# Altium PCB Tigershark 3D R2.2.PcbDoc (part 1 of 4) (continued)
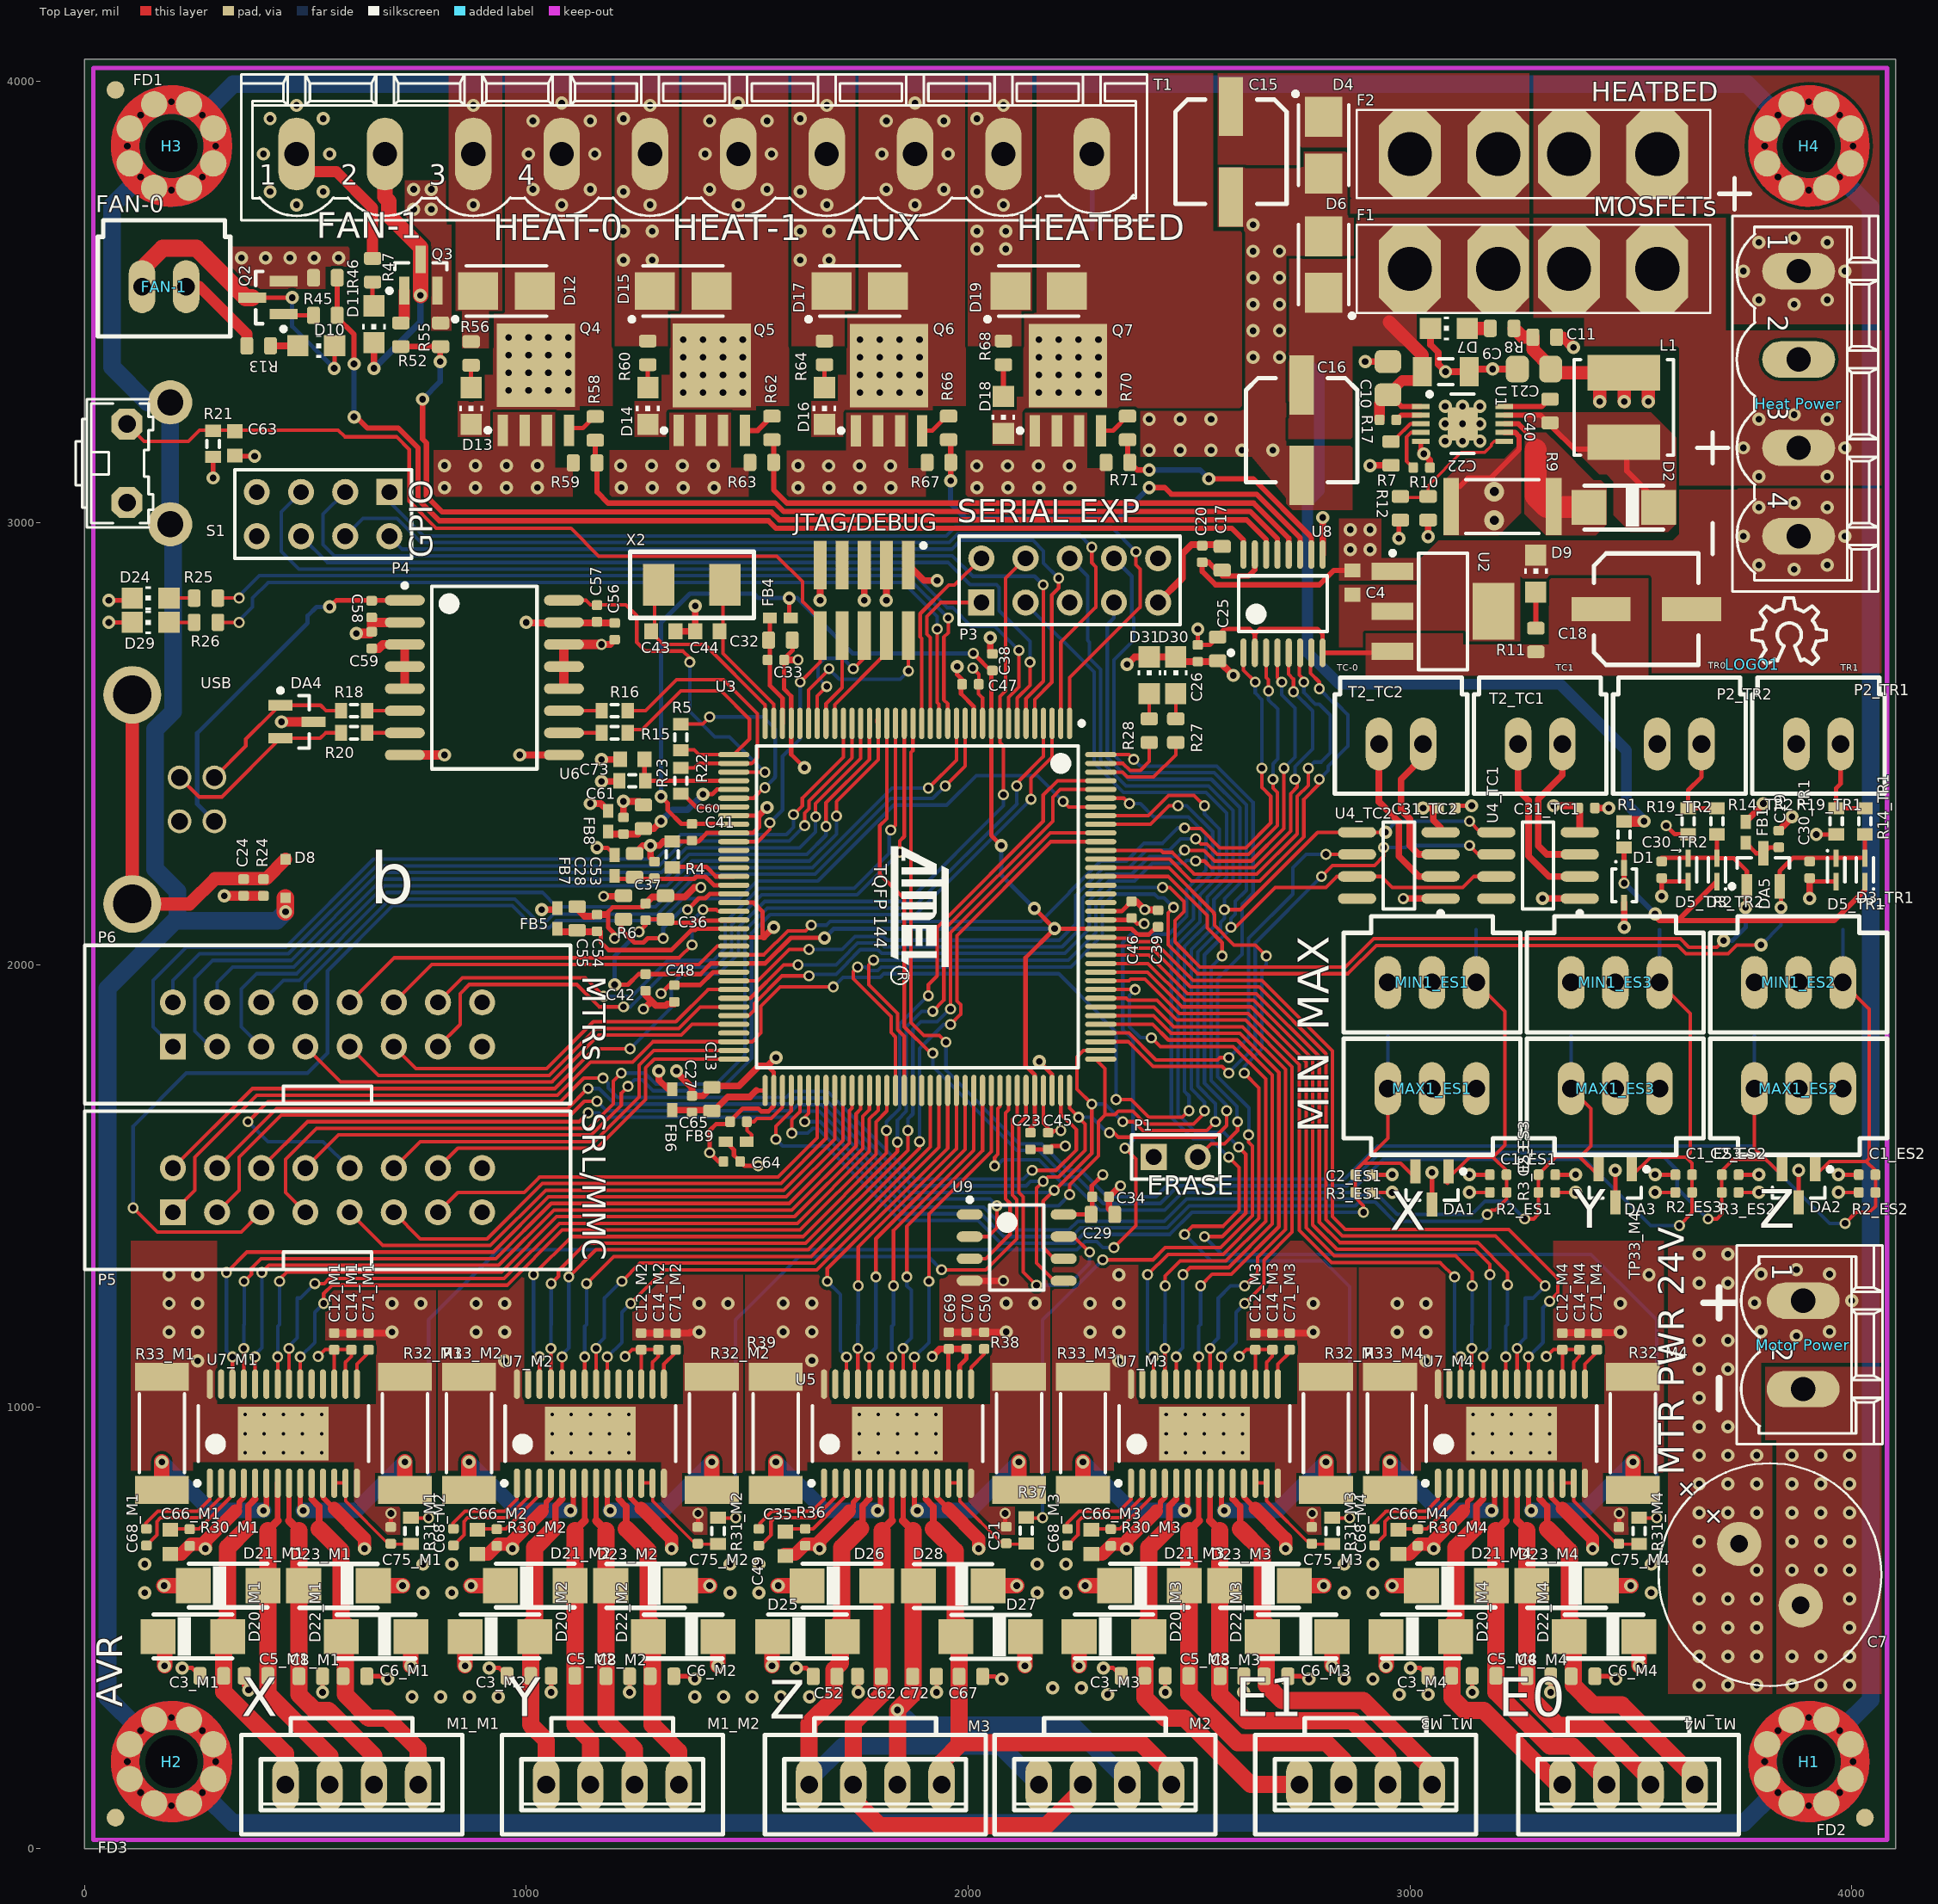
[diagram p0: Top Layer view]
## Classes and differential pairs (continued)
net class U7_M3_Nets: 3.3VCC +12VCC1 DIR3 EN3 GND MOD0E3 MOD1E3 MOD2E3 NetC3_M3_1 NetC5_M3_1 NetC6_M3_1 NetC8_M3_1 NetC66_M3_2 NetC68_M3_1 NetC68_M3_2 NetC71_M3_2 NetC75_M3_2 NetR32_M3_2 NetR33_M3_2 NetU7_M3_18 NetU7_M3_19 NetU7_M3_27 STEP3
net class U7_M4_Nets: 3.3VCC +12VCC1 DIR4 EN4 GND MOD0E4 MOD1E4 MOD2E4 NetC3_M4_1 NetC5_M4_1 NetC6_M4_1 NetC8_M4_1 NetC66_M4_2 NetC68_M4_1 NetC68_M4_2 NetC71_M4_2 NetC75_M4_2 NetR32_M4_2 NetR33_M4_2 NetU7_M4_18 NetU7_M4_19 NetU7_M4_27 STEP4
net class U8_Nets: 3.3VCC +5VCC BED_PWM FET_PWM1 FET_PWM2 FET_PWM3 FET_PWM4 FET_PWM5 GND NetR45_1 NetR52_1 NetR58_1 NetR62_1 NetR66_1 NetR70_1
net class USB_Nets: INPUT_GND NetC24_2 NetC58_2 R_N R_P
net class X2_Nets: NetC43_2 NetC44_2
net class C12_M1_Nets: 3.3VCC GND
net class C12_M2_Nets: 3.3VCC GND
net class C12_M3_Nets: 3.3VCC GND
net class C12_M4_Nets: 3.3VCC GND
net class C14_M1_Nets: 3.3VCC GND
net class C14_M2_Nets: 3.3VCC GND
net class C14_M3_Nets: 3.3VCC GND
net class C14_M4_Nets: 3.3VCC GND
net class C7_Nets: +12VCC1 GND
net class C15_Nets: +12VCC3 GND
net class C18_Nets: 3.3VCC GND
net class C16_Nets: +12VCC2 GND
net class H1_Nets: FGND
net class H2_Nets: FGND
net class H3_Nets: FGND
net class H4_Nets: FGND
net class P4_Nets: 3.3VCC GND GPIO_P_0 GPIO_P_1 GPIO_P_2 GPIO_P_3 GPIO_P_4 GPIO_P_5 NetP4_1 NetP4_3 NetP4_5
net class C34_Nets: 3.3VCC GND
net class C29_Nets: 3.3VCC GND
net class U9_Nets: 3.3VCC GND HOLD# MISO MOSI SCLK SPIFLASH_CS WP#
net class D24_Nets: GND NetD24_A
net class D29_Nets: GND NetD29_A
net class R25_Nets: NetD24_A USB_RX
net class R26_Nets: NetD29_A USB_TX
differential pair R: +R_P -R_N
differential pair UD: +UD_P -UD_N
differential pair UI: +UI_P -UI_N
differential pair UMCU: +UMCU_P -UMCU_N

## Components (designator, comment, footprint, x,y, rotation, side; value= is the part's Value field where it differs from the comment)
C1_ES1 "0402" C0402 3200,1525 r180 top (schematic designator C1)
C1_ES2 "0402" C0402 4035,1525 r180 top (schematic designator C1)
C1_ES3 "0402" C0402 3620,1525 r180 top (schematic designator C1)
C2_ES1 "0402" C0402 2895,1525 r0 top (schematic designator C2)
C2_ES2 "0402" C0402 3725,1525 r0 top (schematic designator C2)
C2_ES3 "0402" C0402 3310,1525 r0 top (schematic designator C2)
C3_M1 "10uF" C0603 288,391 r180 top (schematic designator C3)
C3_M2 "10uF" C0603 983,391 r180 top (schematic designator C3)
C3_M3 "10uF" C0603 2373,391 r180 top (schematic designator C3)
C3_M4 "10uF" C0603 3068,391 r180 top (schematic designator C3)
C4 "0603" 1608[0603] 2870,2865 r90 top
C5_M1 "10uF" C0603 388,391 r180 top (schematic designator C5)
C5_M2 "10uF" C0603 1083,391 r180 top (schematic designator C5)
C5_M3 "10uF" C0603 2473,391 r180 top (schematic designator C5)
C5_M4 "10uF" C0603 3168,391 r180 top (schematic designator C5)
C6_M1 "10uF" C0603 612,390 r0 top (schematic designator C6)
C6_M2 "10uF" C0603 1307,390 r0 top (schematic designator C6)
C6_M3 "10uF" C0603 2697,390 r0 top (schematic designator C6)
C6_M4 "10uF" C0603 3392,390 r0 top (schematic designator C6)
C7 "470uF" C12,5-5 3815,620 r315 top
C8_M1 "10uF" C0603 512,390 r0 top (schematic designator C8)
C8_M2 "10uF" C0603 1207,390 r0 top (schematic designator C8)
C8_M3 "10uF" C0603 2597,390 r0 top (schematic designator C8)
C8_M4 "10uF" C0603 3292,390 r0 top (schematic designator C8)
C9 "4.7uF" C1206 3081.31,3342.43 r0 top
C10 "1uF" C0805 2950.31,3327.43 r90 top
C11 "100nF" C0603 3305.31,3420.43 r0 top
C12_M1 "0402" C0402 565,1148 r270 top (schematic designator C12)
C12_M2 "0402" C0402 1260,1148 r270 top (schematic designator C12)
C12_M3 "0402" C0402 2650,1148 r270 top (schematic designator C12)
C12_M4 "0402" C0402 3345,1148 r270 top (schematic designator C12)
C13 "0603" C0603 1420,1696.1 r270 top
C14_M1 "0402" C0402 604,1148 r270 top (schematic designator C14)
C14_M2 "0402" C0402 1299,1148 r270 top (schematic designator C14)
C14_M3 "0402" C0402 2689,1148 r270 top (schematic designator C14)
C14_M4 "0402" C0402 3384,1148 r270 top (schematic designator C14)
C15 "EEE-1VA101XP" EEE-1VA101XP 2595,3840 r90 top
C16 "EEE-1VA101XP" EEE-1VA101XP 2755,3210 r90 top
C17 "0603" C0603 2575,2920 r270 top
C18 "EEE-1VA101XP" EEE-1VA101XP 3535,2805 r180 top
C19 "0402" C0402 3835,2285 r270 top
C20 "0402" C0402 2530,2930 r270 top
C21 "10uF" C0805 3281.31,3348.43 r180 top
C22 "1uF" C0402 3026.31,3125.43 r0 top
C23 "0402" C0402 2141.1,1601.1 r90 top
C24 "0402" C0402 360,2175 r90 top
C25 "0603" C0603 2565,2715 r90 top
C26 "0402" C0402 2520,2705 r90 top
C27 "0402" C0402 1375,1685 r270 top
C28 "0603" C0603 1245,2225 r270 top
C29 "0603" C0603 2305,1435 r180 top
C30_TR1 "0402" C0402 3905,2215 r90 top (schematic designator C30)
C30_TR2 "0402" C0402 3570,2215 r90 top (schematic designator C30)
C31_TC1 "0402" C0402 3400,2355 r180 top (schematic designator C31)
C31_TC2 "0402" C0402 3085,2355 r180 top (schematic designator C31)
C32 "0603" C0603 1575,2735 r180 top
C33 "0402" C0402 1565,2690 r180 top
C34 "0402" C0402 2300,1475 r180 top
C35 "0603" 1608[0603] 1586.26,689.74 r90 top
C36 "0603" C0603 1315,2130 r270 top
C37 "0402" C0402 1270,2120 r270 top
C38 "0402" C0402 2055,2685 r270 top
C39 "0402" C0402 2430,2105 r270 top
C40 "100nF" C0603 3317.31,3253.43 r270 top
C41 "0402" C0402 1375,2300 r90 top
C42 "0402" C0402 1270,1960 r90 top
C43 "0603" 1608[0603] 1310,2755 r180 top
C44 "0603" 1608[0603] 1410,2755 r0 top
C45 "0402" C0402 2181.1,1601.1 r90 top
C46 "0402" C0402 2370,2125 r270 top
C47 "0402" C0402 2005,2635 r0 top
C48 "0402" C0402 1335,1935 r90 top
C49 "0402" C0402 1526.26,704.74 r270 top
C50 "0402" C0402 2036.26,1149.74 r270 top
C51 "0402" C0402 2086.26,709.74 r270 top
C52 "10uF" C0603 1676.26,389.74 r180 top
C53 "0402" C0402 1290,2215 r270 top
C54 "0402" C0402 1160,2095 r270 top
C55 "0603" C0603 1115,2105 r270 top
C56 "0402" C0402 1200,2755 r270 top
C57 "0402" C0402 1160,2795 r90 top
C58 "0402" C0402 650,2805 r90 top
C59 "0402" C0402 650,2735 r270 top
C60 "0603" C0603 1265,2335 r270 top
C61 "0402" C0402 1220,2315 r270 top
C62 "10uF" C0603 1776.26,389.74 r180 top
C63 "Cap Semi" 1608[0603] 340,3180 r90 top
C64 "0402" C0402 1465,1555 r0 top
C65 "0402" C0402 1480,1645 r0 top
C66_M1 "0603" 1608[0603] 194,694 r90 top (schematic designator C66)
C66_M2 "0603" 1608[0603] 889,694 r90 top (schematic designator C66)
C66_M3 "0603" 1608[0603] 2279,694 r90 top (schematic designator C66)
C66_M4 "0603" 1608[0603] 2974,694 r90 top (schematic designator C66)
C67 "10uF" C0603 2006.26,389.74 r0 top
C68_M1 "0402" C0402 140,705 r270 top (schematic designator C68)
C68_M2 "0402" C0402 835,705 r270 top (schematic designator C68)
C68_M3 "0402" C0402 2225,705 r270 top (schematic designator C68)
C68_M4 "0402" C0402 2920,705 r270 top (schematic designator C68)
C69 "0402" C0402 1956.26,1149.74 r270 top
C70 "0402" C0402 1996.26,1149.74 r270 top
C71_M1 "0402" C0402 643,1148 r270 top (schematic designator C71)
C71_M2 "0402" C0402 1338,1148 r270 top (schematic designator C71)
C71_M3 "0402" C0402 2728,1148 r270 top (schematic designator C71)
C71_M4 "0402" C0402 3423,1148 r270 top (schematic designator C71)
C72 "10uF" C0603 1901.26,389.74 r0 top
C73 "0603" 1608[0603] 1240,2465 r0 top
C75_M1 "0402" C0402 693,709 r270 top (schematic designator C75)
C75_M2 "0402" C0402 1388,709 r270 top (schematic designator C75)
C75_M3 "0402" C0402 2778,709 r270 top (schematic designator C75)
C75_M4 "0402" C0402 3473,709 r270 top (schematic designator C75)
D1 "SZMM3Z4V7T1G" SZMM3Z4V7T1G 3485,2180 r90 top
D2 "SK310A-TP" SMA-SM 3484.31,3035.43 r180 top
D3_TR1 "Diode 1N4148" 1N4148WT 4030,2215 r270 top (schematic designator D3)
D3_TR2 "Diode 1N4148" 1N4148WT 3695,2215 r270 top (schematic designator D3)
D4 "SK310A-TP" SK310A-TP 2805,3855 r90 top
D5_TR1 "Diode 1N4148" 1N4148WT 3965,2215 r90 top (schematic designator D5)
D5_TR2 "Diode 1N4148" 1N4148WT 3630,2215 r90 top (schematic designator D5)
D6 "SK310A-TP" SK310A-TP 2805,3585 r270 top
D7 "5988110107F" LED2012120 3088.76,3440.43 r180 top
D8 "RSB39VTE-17" SOD323-R 455,2195 r90 top
D9 "5988110107F" LED2012120 3285,2885 r90 top
D10 "5988140107F" LED2012120 524,3401 r0 top
D11 "5988140107F" LED2012120 655,3450 r270 top
D12 "B240A-13-F" SK310A-TP 955,3525 r180 top
D13 "5988140107F" LED2012120 875,3265 r270 top
D14 "5988140107F" LED2012120 1275,3265 r270 top
D15 "B240A-13-F" SK310A-TP 1355,3525 r180 top
D16 "5988140107F" LED2012120 1675,3265 r270 top
D17 "B240A-13-F" SK310A-TP 1755,3525 r180 top
D18 "5988140107F" LED2012120 2080,3245 r270 top
D19 "B240A-13-F" SK310A-TP 2160,3525 r180 top
D20_M1 "SMAJ30A" SMA-SM 245,480 r0 top (schematic designator D20)
D20_M2 "SMAJ30A" SMA-SM 940,480 r0 top (schematic designator D20)
D20_M3 "SMAJ30A" SMA-SM 2330,480 r0 top (schematic designator D20)
D20_M4 "SMAJ30A" SMA-SM 3025,480 r0 top (schematic designator D20)
D21_M1 "SMAJ30A" SMA-SM 325,595 r0 top (schematic designator D21)
D21_M2 "SMAJ30A" SMA-SM 1020,595 r0 top (schematic designator D21)
D21_M3 "SMAJ30A" SMA-SM 2410,595 r0 top (schematic designator D21)
D21_M4 "SMAJ30A" SMA-SM 3105,595 r0 top (schematic designator D21)
D22_M1 "SMAJ30A" SMA-SM 660,480 r180 top (schematic designator D22)
D22_M2 "SMAJ30A" SMA-SM 1355,480 r180 top (schematic designator D22)
D22_M3 "SMAJ30A" SMA-SM 2745,480 r180 top (schematic designator D22)
D22_M4 "SMAJ30A" SMA-SM 3440,480 r180 top (schematic designator D22)
D23_M1 "SMAJ30A" SMA-SM 575,595 r180 top (schematic designator D23)
D23_M2 "SMAJ30A" SMA-SM 1270,595 r180 top (schematic designator D23)
D23_M3 "SMAJ30A" SMA-SM 2660,595 r180 top (schematic designator D23)
D23_M4 "SMAJ30A" SMA-SM 3355,595 r180 top (schematic designator D23)
D24 "5988140107F" LED2012120 150,2830 r180 top
D25 "SMAJ30A" SMA-SM 1636.26,479.74 r0 top
D26 "SMAJ30A" SMA-SM 1714.03,594.74 r0 top
D27 "SMAJ30A" SMA-SM 2051.26,479.74 r180 top
D28 "SMAJ30A" SMA-SM 1966.26,594.74 r180 top
D29 "5988140107F" LED2012120 150,2775 r180 top
D30 "5988140107F" LED2012120 2470,2655 r90 top
D31 "5988140107F" LED2012120 2410,2655 r90 top
DA1 "PESDxL2BT" SOT95P230X110-3N 3050,1495 r270 top
DA2 "PESDxL2BT" SOT95P230X110-3N 3880,1500 r270 top
DA3 "PESDxL2BT" SOT95P230X110-3N 3465,1500 r270 top
DA4 "PESDxL2BT" SOT95P230X110-3N 480.88,2550 r0 top
DA5 "PESDxL2BT" SOT95P230X110-3N 3800,2215 r90 top
F1 "3522-2" "3522-2 - WAVE SOLDER" 3280,3575 r180 top
F2 "3522-2" "3522-2 - WAVE SOLDER" 3280,3835 r180 top
FAN-1 "Molex 70543-02" 70543-02 180,3535 r180 top
FB1 "BLM15HG601SN1D" BLM18PG121SN1D 3760,2300 r90 top
FB4 "BLM15HG601SN1D" BLM18PG121SN1D 1575,2785 r180 top
FB5 "BLM15HG601SN1D" BLM18PG121SN1D 1070,2105 r270 top
FB6 "BLM15HG601SN1D" BLM18PG121SN1D 1330,1695 r270 top
FB7 "BLM15HG601SN1D" BLM18PG121SN1D 1200,2225 r270 top
FB8 "BLM15HG601SN1D" BLM18PG121SN1D 1185,2325 r270 top
FB9 "BLM15HG601SN1D" BLM18PG121SN1D 1475,1600 r0 top
FD1 "FIDUCIAL" FIDUCIAL-1X2 70,3980 r90 top
FD2 "FIDUCIAL" FIDUCIAL-1X2 4030,70 r0 top
FD3 "FIDUCIAL" FIDUCIAL-1X2 70,70 r270 top
H1 "Hole" Wave_hole_3x7-singleSided#1 3903.15,196.85 r0 top locked
H2 "Hole" Wave_hole_3x7-singleSided#2 196.85,196.85 r0 top locked
H3 "Hole" Wave_hole_3x7-singleSided#2 196.85,3853.15 r0 top locked
H4 "Hole" Wave_hole_3x7-singleSided#2 3903.15,3853.15 r0 top locked
"Heat Power" "con-phoenix-508 - 4" MSTBV4 3880,3270 r270 top
JTAG/DEBUG "FTSH-105-XX-X-DV" FTSH-105-XX-X-DV 1765,2825 r0 top
L1 "XAL5050-153MEB" XAL50xx-153 3484.31,3261.43 r90 top
LOGO1 "OSHW_LOGO_8MILX0150-NT" OSHW_8X150_NOTEXT 3775,2680 r0 top
M1_M1 "Molex 0705430003" 4POL254 605,145 r180 top (schematic designator M1)
M1_M2 "Molex 0705430003" 4POL254 1195,145 r180 top (schematic designator M1)
M1_M3 "Molex 0705430003" 4POL254 2900,145 r180 top (schematic designator M1)
M1_M4 "Molex 0705430003" 4POL254 3495,145 r180 top (schematic designator M1)
M2 "Molex 0705430003" 4POL254 2310,145 r180 top
M3 "Molex 0705430003" 4POL254 1790,145 r180 top
MAX1_ES1 "Molex 70543-03" 70543-03 3050,1720 r0 top (schematic designator MAX1)
MAX1_ES2 "Molex 70543-03" 70543-03 3880,1720 r0 top (schematic designator MAX1)
MAX1_ES3 "Molex 70543-03" 70543-03 3465,1720 r0 top (schematic designator MAX1)
MIN1_ES1 "Molex 70543-03" 70543-03 3050,1960 r180 top (schematic designator MIN1)
MIN1_ES2 "Molex 70543-03" 70543-03 3880,1960 r180 top (schematic designator MIN1)
MIN1_ES3 "Molex 70543-03" 70543-03 3465,1960 r180 top (schematic designator MIN1)
"Motor Power" "con-phoenix-508 - 2" "MSTBV2 - duplicate" 3890,940 r270 top
P1 "ERASE" HDR1X2 2420,1565 r0 top
P2_TR1 "Molex 70543-02" 70543-02 3925,2500 r180 top (schematic designator P2)
P2_TR2 "Molex 70543-02" 70543-02 3610,2500 r180 top (schematic designator P2)
P3 "Header 5X2" HDR2X5 2030,2820 r0 top
P4 "Header 4X2" HDR2X4 690,3070 r180 top
P5 "302-S161" 302-S161 200,1540 r0 top
P6 "302-S161" 302-S161 200,1915 r0 top
Q2 "IRML6346TRPBF" IRLML6346 415,3510 r180 top
Q3 "IRML6346TRPBF" IRLML6346 761,3561 r90 top
Q4 "PSMN7R0-60YS" PSMN7R0-60YS 1021.5,3312.03 r90 top
Q5 "PSMN7R0-60YS" PSMN7R0-60YS 1420,3311.64 r90 top
Q6 "PSMN7R0-60YS" PSMN7R0-60YS 1821,3311.22 r90 top
Q7 "PSMN7R0-60YS" PSMN7R0-60YS 2226,3311.22 r90 top
R1 "Res3" J1-0603 3485,2295 r90 top
R2_ES1 "2.7K" R0402 3200,1485 r180 top (schematic designator R2)
R2_ES2 "2.7K" R0402 4035,1485 r180 top (schematic designator R2)
R2_ES3 "2.7K" R0402 3620,1485 r180 top (schematic designator R2)
R3_ES1 "2.7K" R0402 2895,1485 r0 top (schematic designator R3)
R3_ES2 "2.7K" R0402 3725,1485 r0 top (schematic designator R3)
R3_ES3 "2.7K" R0402 3310,1485 r0 top (schematic designator R3)
R4 "0603" J1-0603 1330,2250 r90 top
R5 "0603" J1-0603 1350,2515 r90 top
R6 "100K" R0603 1220,2130 r90 top
R7 "10K" R0603 2957.31,3157.43 r270 top
R8 "1K" R0603 3208.76,3440.43 r0 top
R9 "0.6r" 2512R-0.55 3209.31,3037.43 r0 top
R10 "10K" R0603 3041.31,3033.43 r90 top
R11 "1K" R0603 3285,2735 r270 top
R12 "10K" R0603 2978.31,3033.43 r270 top
R13 "1.8K" R0603 394,3401 r180 top
R14_TR1 "Res3" J1-0603 4030,2325 r90 top (schematic designator R14)
R14_TR2 "Res3" J1-0603 3695,2325 r90 top (schematic designator R14)
R15 "0603" J1-0603 1200,2525 r180 top
R16 "0603" J1-0603 1200,2575 r180 top
R17 "200K" R0402 2950.31,3233.43 r180 top
R18 "0603" J1-0603 610,2575 r180 top
R19_TR1 "Res3" J1-0603 3965,2325 r270 top (schematic designator R19)
R19_TR2 "Res3" J1-0603 3630,2325 r270 top (schematic designator R19)
R20 "0603" J1-0603 610,2525 r180 top
R21 "Res3" J1-0603 291,3179 r270 top
R22 "0603" J1-0603 1350,2416.54 r270 top
R23 "0603" J1-0603 1240,2416.54 r0 top
R24 "1M" R0402 405,2175 r90 top
R25 "1K" R0603 275,2830 r180 top
R26 "1K" R0603 275,2775 r180 top
R27 "1K" R0603 2470,2530 r90 top
R28 "1K" R0603 2410,2530 r90 top
R30_M1 "1M" R0402 238,704 r270 top (schematic designator R30)
R30_M2 "1M" R0402 933,704 r270 top (schematic designator R30)
R30_M3 "1M" R0402 2323,704 r270 top (schematic designator R30)
R30_M4 "1M" R0402 3018,704 r270 top (schematic designator R30)
R31_M1 "0603" J1-0603 739,719 r90 top (schematic designator R31)
R31_M2 "0603" J1-0603 1434,719 r90 top (schematic designator R31)
R31_M3 "0603" J1-0603 2824,719 r90 top (schematic designator R31)
R31_M4 "0603" J1-0603 3519,719 r90 top (schematic designator R31)
R32_M1 "2512" Resistor2512 725,939.74 r270 top (schematic designator R32)
R32_M2 "2512" Resistor2512 1420,939.74 r270 top (schematic designator R32)
R32_M3 "2512" Resistor2512 2810,939.74 r270 top (schematic designator R32)
R32_M4 "2512" Resistor2512 3505,939.74 r270 top (schematic designator R32)
R33_M1 "2512" Resistor2512 175,939.74 r270 top (schematic designator R33)
R33_M2 "2512" Resistor2512 870,939.74 r270 top (schematic designator R33)
R33_M3 "2512" Resistor2512 2260,940 r270 top (schematic designator R33)
R33_M4 "2512" Resistor2512 2955,939.74 r270 top (schematic designator R33)
R36 "1M" R0402 1631.26,704.74 r270 top
R37 "0603" J1-0603 2131.26,719.74 r90 top
R38 "2512" Resistor2512 2115.26,939.74 r270 top
R39 "2512" Resistor2512 1564.26,939.74 r270 top
R45 "10r" R0603 545,3470 r180 top
R46 "100K" R0603 545,3555 r180 top
R47 "1.8K" R0603 652,3572 r90 top
R52 "10r" R0603 716,3426 r90 top
R55 "100K" R0603 806,3426 r90 top
R56 "1.8K" R0603 875,3383.64 r90 top
R58 "10r" R0603 1156,3214 r90 top
R59 "100K" R0603 1133,3136 r180 top
R60 "1.8K" R0603 1275,3385 r90 top
R62 "10r" R0603 1556,3215 r90 top
R63 "100K" R0603 1533,3137 r180 top
R64 "1.8K" R0603 1675,3385 r90 top
R66 "10r" R0603 1956,3215 r90 top
R67 "100K" R0603 1934,3137 r180 top
R68 "1.8K" R0603 2080,3385 r90 top
R70 "10r" R0603 2361,3215 r90 top
R71 "100K" R0603 2339,3137 r180 top
S1 "1571610-2" B3F-31XX 145,3135 r270 top locked
T1 "Molex 0395311010" MSTBV10 1380,3835 r0 top
T2_TC1 "Molex 70543-02" 70543-02 3295,2500 r180 top (schematic designator T2)
T2_TC2 "Molex 70543-02" 70543-02 2980,2500 r180 top (schematic designator T2)
TP2 "TP4" TP-2#1 3520,2150 r180 top
TP4 "TP4" TP-2#1 2995,2270 r180 top
TP5 "TP4" TP-2#1 2765,2250 r180 top
TP6 "TP4" TP-2#1 3075,2325 r90 top
TP7 "TP4" TP-2#1 2375,2735 r90 top
TP8 "TP4" TP-2#1 2275,2730 r90 top
TP9_ES1 "TP4" TP-2#2 3150,2080 r270 bottom (schematic designator TP9)
TP9_ES2 "TP4" TP-2#2 3980,2080 r270 bottom (schematic designator TP9)
TP9_ES3 "TP4" TP-2#2 3565,2065 r270 bottom (schematic designator TP9)
TP10_ES1 "TP4" TP-2#2 2950,1840 r270 bottom (schematic designator TP10)
TP10_ES2 "TP4" TP-2#2 3780,1840 r270 bottom (schematic designator TP10)
TP10_ES3 "TP4" TP-2#2 3365,1840 r270 bottom (schematic designator TP10)
TP11 "TP4" TP-2#2 1080,3665 r270 bottom
TP12 "TP4" TP-2#2 1481,3666 r90 bottom
TP13 "TP4" TP-2#2 1881,3666 r270 bottom
TP14 "TP4" TP-2#2 2281,3666 r270 bottom
TP15 "TP4" TP-2#1 2201.26,1228.74 r180 top
TP16 "TP4" TP-2#1 1871.26,1234.74 r180 top
TP17 "TP4" TP-2#1 1711.26,1239.74 r90 top
TP18 "TP4" TP-2#1 1751.26,1174.74 r90 top
TP19 "TP4" TP-2#1 1791.26,1234.74 r90 top
TP20 "TP4" TP-2#1 1911.26,1174.74 r90 top
TP21 "TP4" TP-2#1 1831.26,1174.74 r90 top
TP32_M1 "TP4" TP-2#1 481.23,1245.77 r180 top (schematic designator TP32)
TP32_M2 "TP4" TP-2#1 1176.23,1245.77 r180 top (schematic designator TP32)
TP32_M3 "TP4" TP-2#1 2566.23,1245.77 r180 top (schematic designator TP32)
TP32_M4 "TP4" TP-2#1 3261.23,1245.77 r180 top (schematic designator TP32)
TP33_M1 "TP4" TP-2#1 811.26,1228.74 r180 top (schematic designator TP33)
TP33_M2 "TP4" TP-2#1 1506.26,1228.74 r180 top (schematic designator TP33)
TP33_M3 "TP4" TP-2#1 2865,1230 r180 top (schematic designator TP33)
TP33_M4 "TP4" TP-2#1 3526.26,1228.74 r180 top (schematic designator TP33)
TP35_M1 "TP4" TP-2#1 321.23,1245.77 r180 top (schematic designator TP35)
TP35_M2 "TP4" TP-2#1 1016.23,1245.77 r180 top (schematic designator TP35)
TP35_M3 "TP4" TP-2#1 2406.23,1245.77 r180 top (schematic designator TP35)
TP35_M4 "TP4" TP-2#1 3101.23,1245.77 r180 top (schematic designator TP35)
TP36_M1 "TP4" TP-2#1 361.23,1185.77 r180 top (schematic designator TP36)
TP36_M2 "TP4" TP-2#1 1056.23,1185.77 r180 top (schematic designator TP36)
TP36_M3 "TP4" TP-2#1 2446.23,1185.77 r180 top (schematic designator TP36)
TP36_M4 "TP4" TP-2#1 3141.23,1185.77 r180 top (schematic designator TP36)
TP37_M1 "TP4" TP-2#1 401.23,1245.77 r180 top (schematic designator TP37)
TP37_M2 "TP4" TP-2#1 1096.23,1245.77 r180 top (schematic designator TP37)
TP37_M3 "TP4" TP-2#1 2486.23,1245.77 r180 top (schematic designator TP37)
TP37_M4 "TP4" TP-2#1 3181.23,1245.77 r180 top (schematic designator TP37)
TP38 "TP4" TP-2#2 2860,2495 r270 bottom
TP39_M1 "TP4" TP-2#1 521.23,1185.77 r180 top (schematic designator TP39)
TP39_M2 "TP4" TP-2#1 1216.23,1185.77 r180 top (schematic designator TP39)
TP39_M3 "TP4" TP-2#1 2606.23,1185.77 r180 top (schematic designator TP39)
TP39_M4 "TP4" TP-2#1 3301.23,1185.77 r180 top (schematic designator TP39)
TP40_M1 "TP4" TP-2#1 441.23,1185.77 r180 top (schematic designator TP40)
TP40_M2 "TP4" TP-2#1 1136.23,1185.77 r180 top (schematic designator TP40)
TP40_M3 "TP4" TP-2#1 2526.23,1185.77 r180 top (schematic designator TP40)
TP40_M4 "TP4" TP-2#1 3221.23,1185.77 r180 top (schematic designator TP40)
TP43 "TP4" TP-2#2 2665,2555 r270 bottom
TP44 "TP4" TP-2#2 2701.1,2496.1 r270 bottom
TP45 "TP4" TP-2#2 2740,2555 r270 bottom
TP46 "TP4" TP-2#2 2780,2495 r270 bottom
TP47 "TP4" TP-2#2 2820,2555 r270 bottom
TP52_TR1 "TP4" TP-2#1 3840,2085 r180 top (schematic designator TP52)
TP52_TR2 "TP4" TP-2#1 3760,2090 r180 top (schematic designator TP52)
U1 "LM25011MY/NOPB" VSSOP10 3119.31,3224.43 r0 top
U2 "MIC5209-3.3YS" SOT230P700X190-4N 3075,2800 r0 top
U3 "ATML-ATSAM3X-LQFP-144" LQFP144_N 1885,2131.1 r270 top locked
U4_TC1 "MAX31855EASA+" MAXM-S8+4_N 3290,2225 r180 top (schematic designator U4)
U4_TC2 "MAX31855EASA+" MAXM-S8+4_N 2975,2225 r180 top (schematic designator U4)
U5 "DRV8825" DRV8825 1840.26,939 r90 top
U6 "ADuM4160" ADuM4160 905,2650 r0 top
U7_M1 "DRV8825" DRV8825 450,939 r90 top (schematic designator U7)
U7_M2 "DRV8825" DRV8825 1145,939 r90 top (schematic designator U7)
U7_M3 "DRV8825" DRV8825 2535,939 r90 top (schematic designator U7)
U7_M4 "DRV8825" DRV8825 3230,939 r90 top (schematic designator U7)
U8 "TXB0106 Level Shifter" TSOP65P640X120-16N 2713,2817.44 r90 top
U9 "S25FL216K0PMFI041" S25FL216K0PMFI041 2110,1360 r0 top
USB "USB-B" PN61729 108,2374.94 r270 top locked
X2 "445C35A12M00000" 445C35A12M00000 1300,2860 r0 top

## Footprints (in the part's own frame and the unit in brackets; to place one, negate y for a bottom-side part, rotate by r counter-clockwise, add the part's x,y. Pads: shape width x height; smd on the part's side, far side on the other; paste and mask are expansions set on the pad)
1N4148WT [mm] "Molded Diode, 2-Leads, Body 1.20x0.80mm, IPC Medium Density"
  rect 1x0.3 smd: 1(-0.675,0) 2(0.675,0)
  silkscreen extent -0.7,-0.5 1.15,0.55, body extent -0.65,-0.45 0.65,0.45, height 0.7
4POL254 [mil]
  oval 60x120 hole 40: 1(-150,0) 2(-50,0) 3(50,0) 4(150,0)
  silkscreen extent -250,-150 250,113, body extent -250,-150 250,113, height 454
302-S161 [mm] "2.54mm pitch 2X8 1 Pin Shrouded Connector"
  rect 1.5x1.5 hole 0.9: 1(0,-2.54)
  round 1.5 hole 0.9: 2(0,0) 3(2.54,-2.54) 4(2.54,0) 5(5.08,-2.54) 6(5.08,0) 7(7.62,-2.54) 8(7.62,0) 9(10.16,-2.54) 10(10.16,0) 11(12.7,-2.54) 12(12.7,0) 13(15.24,-2.54) 14(15.24,0) 15(17.78,-2.54) 16(17.78,0)
  silkscreen extent -5.08,-5.82 22.86,3.28, body extent -5.08,-5.84 22.86,3.3, height 9.1
445C35A12M00000 [mm] "Crystal Oscillator"
  rect 1.8x2.4 smd: 1(0,0) 2(3.8,0)
  silkscreen extent -1.65,-1.91 5.46,1.91, body extent -1.27,-1.52 5.08,1.52, height 1
1608[0603] [mm] "Chip Capacitor, Body 1.6x0.8mm, IPC High Density"
  rect 0.8x0.9 smd: 1(-0.7,0) 2(0.7,0)
  body extent -0.87,-0.48 0.87,0.48, height 1.3
2512R-0.55 [mm] "2512 Resistor 6.35mm x 3.2mm x 0.55mm"
  rect 0.9x3.3 smd: 1(-2.95,0) 2(2.95,0)
  silkscreen extent -2.1,-1.55 2.1,1.55, body extent -3.22,-1.68 3.22,1.68, height 0.65
"3522-2 - WAVE SOLDER" [mil]
  oct 140x200 hole 100: 1(-280,0) 1(-80,0) 2(80,0) 2(280,0)
  silkscreen extent -400,-100 400,100, body extent -402,-103 402,103, height 709
70543-02 [mil]
  oval 60x120 hole 40: 1(-50,0) 2(50,0)
  silkscreen extent -150,-150 150,113, body extent -150,-150 150,113, height 450
70543-03 [mil]
  oval 60x120 hole 40: 1(-100,0) 2(0,0) 3(100,0)
  silkscreen extent -200,-150 200,113, body extent -200,-150 200,113, height 450
ADuM4160 [mm] "SOIC, 16-Leads, Body 10.30x7.50mm, Pitch 1.27mm, IPC Medium Density"
  oval 2.3x0.6 smd: 1(-4.575,4.445) 2(-4.575,3.175) 3(-4.575,1.905) 4(-4.575,0.635) 5(-4.575,-0.635) 6(-4.575,-1.905) 7(-4.575,-3.175) 8(-4.575,-4.445) 9(4.575,-4.445) 10(4.575,-3.175) 11(4.575,-1.905) 12(4.575,-0.635) 13(4.575,0.635) 14(4.575,1.905) 15(4.575,3.175) 16(4.575,4.445)
  silkscreen extent -4.7,-5.25 3.03,5.42, body extent -3.8,-5.25 3.8,5.25, height 2.65
B3F-31XX [mil]
  oct 70x70 hole 40: 1(-89,-49) 2(89,-49)
  round 100 hole 59: 3(-138,49) 4(138,49)
  silkscreen extent -145,-165 145,10, body extent -165,-200 165,109, height 303
BLM18PG121SN1D [mm]
  rect 0.8x0.6 smd: 1(-0.6,0) 2(0.6,0)
  body extent -0.52,-0.28 0.53,0.27, height 0.6
C12,5-5 [mil]
  round 100 hole 40: 1(-98.43,0) 2(98.43,0)
  silkscreen extent -252,-252 252,252, body extent -252,-252 252,252, height 787
C0402 [mil]
  rrect40% 22x24 smd: 1(-18.7,0) 2(19,0)
  body extent -20,-10 20,10, height 20
C0603 [mm]
  rrect40% 0.74x1 smd: 1(-0.68,0) 2(0.68,0)
  body extent -0.8,-0.4 0.8,0.4, height 0.8
C0805 [mil]
  rrect50% 52x60 smd: 1(-37.4,0) 2(38,0)
  body extent -40,-30 40,30, height 35
C1206 [mm] "Chip Capacitor, Body 3.2x1.6mm, IPC High Density"
  rect 1.1x1.7 smd: 1(-1.35,0) 2(1.35,0)
  silkscreen extent -0.4,-0.75 0.4,0.75, body extent -1.7,-0.9 1.7,0.9, height 1.3
DRV8825 [mm]
  oval 1.7x0.35 smd: 1(-2.85,4.225) 2(-2.85,3.575) 3(-2.85,2.925) 4(-2.85,2.275) 5(-2.85,1.625) 6(-2.85,0.975) 7(-2.85,0.325) 8(-2.85,-0.325) 9(-2.85,-0.975) 10(-2.85,-1.625) 11(-2.85,-2.275) 12(-2.85,-2.925) 13(-2.85,-3.575) 14(-2.85,-4.225) 15(2.85,-4.225) 16(2.85,-3.575) 17(2.85,-2.925) 18(2.85,-2.275) 19(2.85,-1.625) 20(2.85,-0.975) 21(2.85,-0.325) 22(2.85,0.325) 23(2.85,0.975) 24(2.85,1.625) 25(2.85,2.275) 26(2.85,2.925) 27(2.85,3.575) 28(2.85,4.225)
  rect 3.1x5.22 smd: 29(0,0)
  silkscreen extent -2.97,-4.9 1.6,5.07, body extent -2.25,-4.9 2.25,4.9, height 1.2
EEE-1VA101XP [mm] "Panasonic VS D EEE-1VA101XP"
  rect 3.4x1.4 smd: 1(2.6,0) 2(-2.6,0)
  silkscreen extent -3,-3.2 3,3.2, body extent -3.5,-3.3 3.5,3.3, height 5.4
FIDUCIAL-1X2 [mil]
  rrect100% 40x40 smd paste-3897.64 mask+20: 1(0,0)
  body extent -40,-40 40,40, height 1
FTSH-105-XX-X-DV [mm] "1.27mm pitch, 10 pin, terminal strip; vertical, SMT"
  rect 0.75x2.8 smd mask+0: 1(2.54,2.03) 2(2.54,-2.03) 3(1.27,2.03) 4(1.27,-2.03) 5(0,2.03) 6(0,-2.03) 7(-1.27,2.03) 8(-1.27,-2.03) 9(-2.54,2.03) 10(-2.54,-2.03)
  silkscreen extent 3.28,3.03 3.52,3.27
HDR1X2 [mm] "Connector; Header; 2 Position"
  rect 1.5x1.5 hole 0.9: 1(0,0)
  round 1.5 hole 0.9: 2(2.54,0)
  silkscreen extent -1.27,-1.27 3.81,1.27
HDR2X4 [mm] "Connector; Header; 4x2 Position"
  rect 1.5x1.5 hole 0.9: 1(0,0)
  round 1.5 hole 0.9: 2(0,2.54) 3(2.54,0) 4(2.54,2.54) 5(5.08,0) 6(5.08,2.54) 7(7.62,0) 8(7.62,2.54)
  silkscreen extent -1.27,-1.27 8.89,3.81
HDR2X5 [mm] "Connector; Header; 5x2 Position"
  rect 1.5x1.5 hole 0.9: 1(0,0)
  round 1.5 hole 0.9: 2(0,2.54) 3(2.54,0) 4(2.54,2.54) 5(5.08,0) 6(5.08,2.54) 7(7.62,0) 8(7.62,2.54) 9(10.16,0) 10(10.16,2.54)
  silkscreen extent -1.27,-1.27 11.43,3.81
IRLML6346 [mm] "SOT23, 3-Leads, Body 2.92x2.37mm, Pitch 0.95mm, IPC Medium Density"
  rect 1.6x0.6 smd: 1(-0.9,0.95) 2(-0.9,-0.95) 3(0.9,0)
  silkscreen extent -1.03,-1.5 0.7,1.92, body extent -0.7,-1.52 0.7,1.52, height 1.12
J1-0603 [mm] "Chip Resistor, Body 1.6x0.8mm, IPC High Density"
  rect 0.7x0.9 smd: 1(-0.75,0) 2(0.75,0)
  silkscreen extent -0.2,-0.35 0.2,0.35, body extent -0.85,-0.48 0.85,0.48, height 0.9
LED2012120 [mil]
  rect 48x48 smd: A(-41.34,0) C(42,0)
  silkscreen extent 0,-27 12,27, body extent -50,-25 50,25, height 28